# KiCad board Console.kicad_pcb (continued)
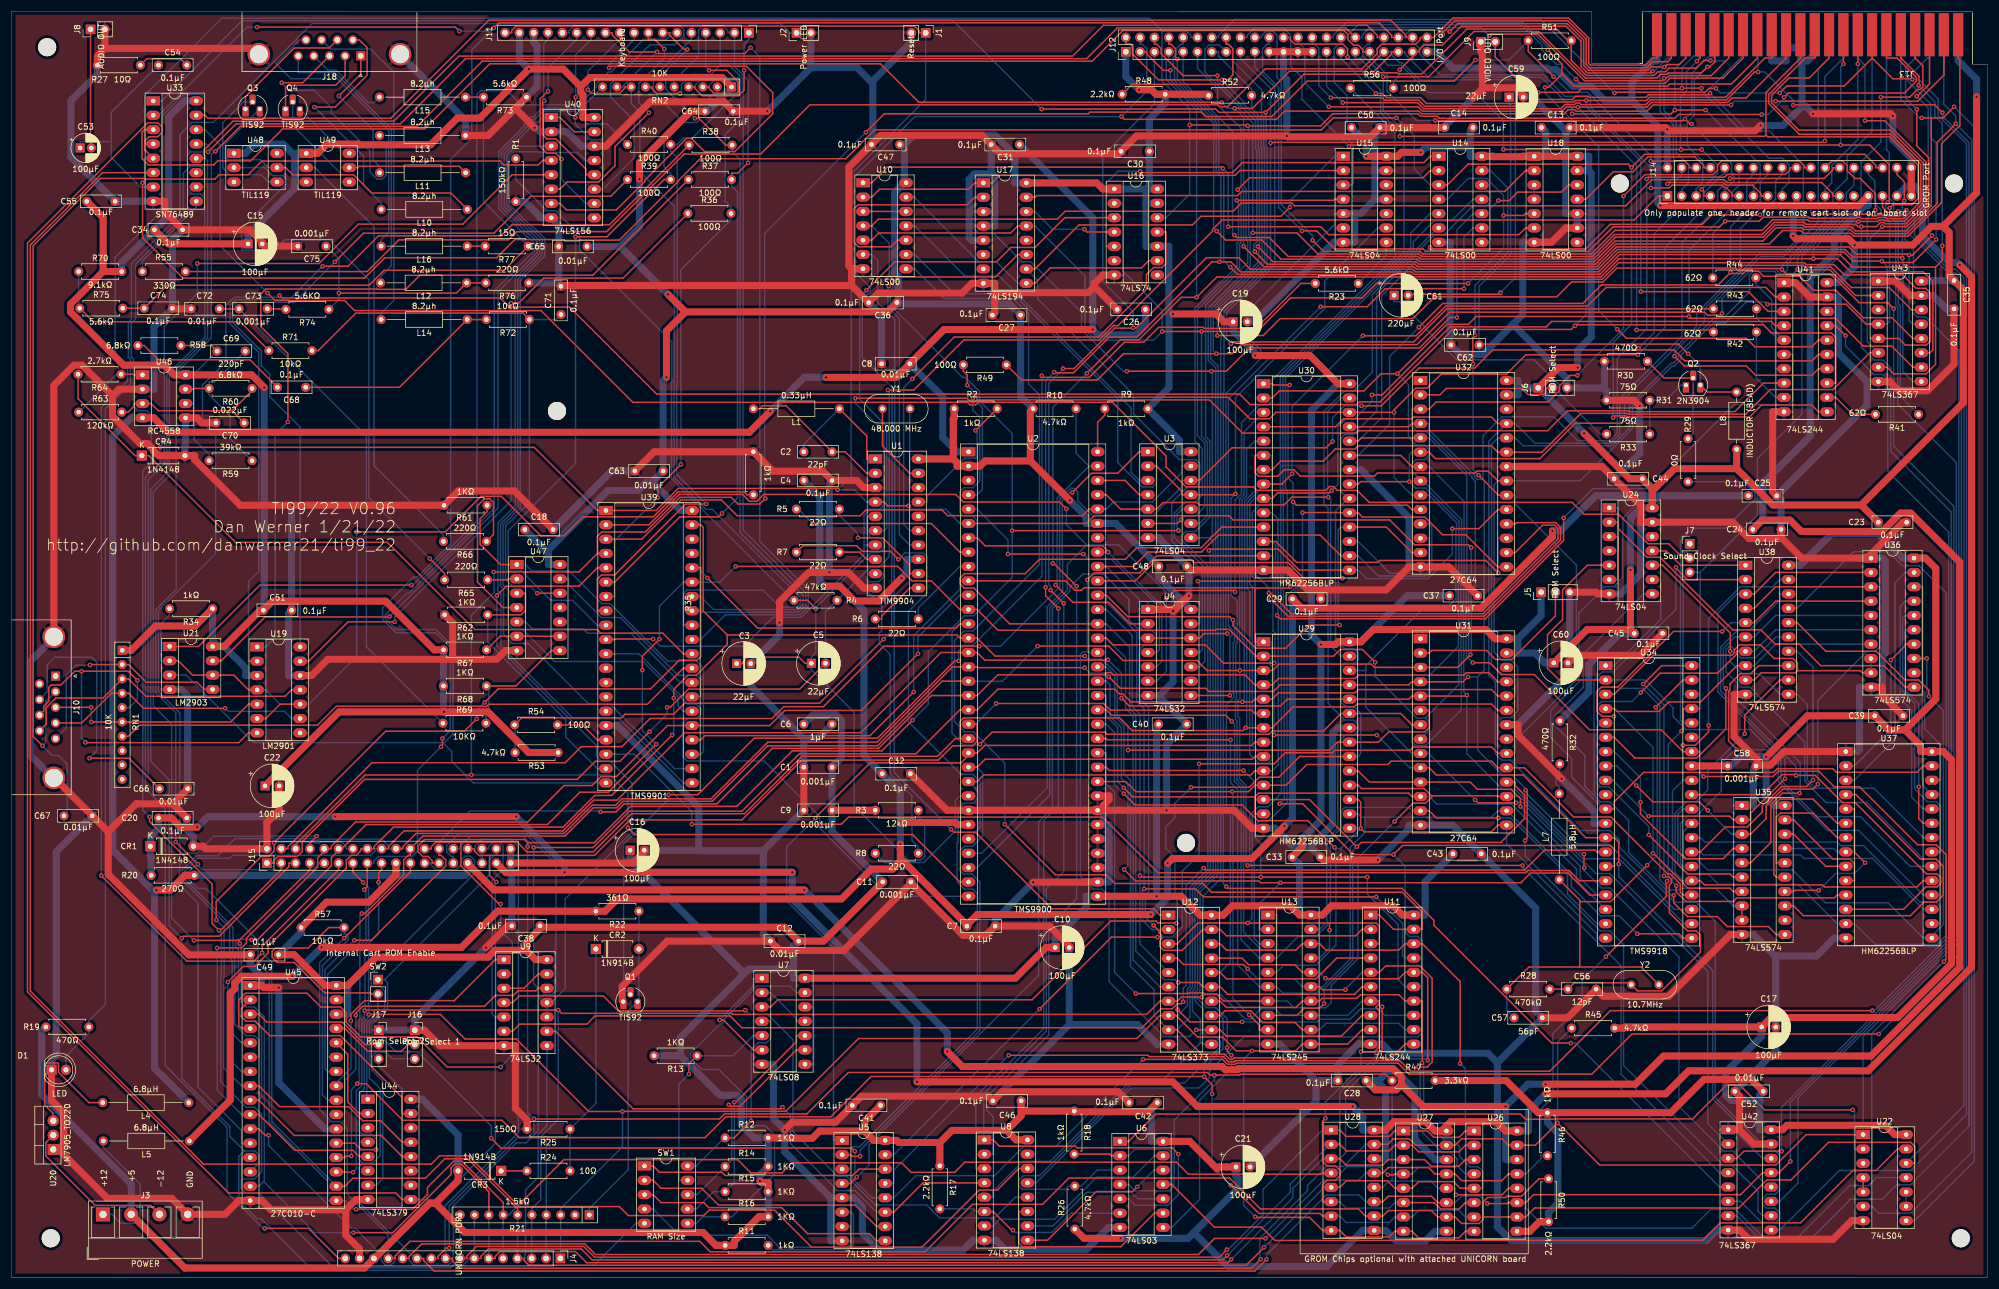
[diagram p0: board, top side]
## Routing (per net, layer and track width the routed paths; a pad name or vN(x,y) marks a point on that pad's centre or on a via; arc(x,y) is an arc through that point) (continued)
  Bottom w0.25: U31.6 251.08,100.49 251.08,106.62 256.27,111.82 256.27,122.82 256.37,122.92 256.37,133.98 250.48,139.87 248.72,139.87 v1(247.57,141.01) 247.57,145.77 248.02,146.22 U32.6 ; v1(38.35,52.38) 38.35,38.96 40.78,36.53 U45.7 ; v1(197.75,93.44) 197.75,97.73 195.87,99.61 195.87,106.87 194,108.74 193.89,108.74 193.08,109.56 190.68,109.56 v1(190.12,110.12) ; v1(285.7,151.93) 285.7,155.77 298.45,168.51 298.45,170.87 306.21,178.63 v1(306.21,179.06) 306.21,185.84 309.71,189.34 309.71,194.08 311.06,195.43 J14.16 ; v1(117.32,102.68) 117.32,96.42 v1(117.03,96.13)
A11: length 593.1
  Top w0.25: v1(171.55,94.5) 173.68,96.63 193.69,96.63 194.06,96.26 222.74,96.26 223.32,96.85 232.38,96.85 235.46,99.94 U29.23 246.04,99.94 248.03,97.95 U31.7 ; U45.8 43.84,33.99 47.53,30.3 59.75,30.3 62.24,27.81 65.42,27.81 69.23,24 U44.13 ; U43.12 336.73,166.36 333.05,170.04 327.96,170.04 323.12,174.89 319.19,174.89 316.7,177.38 310.3,177.38 309.4,178.27 307.09,178.27 306.7,177.88 304.66,177.88 v1(304.47,178.08) 302.25,175.85 281.59,175.85 278.3,172.57 253.48,172.57 v1(249.27,168.37) ; v1(123.27,123.95) 132.16,115.06 167.23,115.06 167.99,115.82 U2.13 ; v1(83.84,101.89) 86.25,104.3 113.22,104.3 118.3,109.38 121.44,109.38 122.08,110.01 122.08,125.75 120.55,125.75 ; v1(36.29,63.36) 36.29,66.64 44.27,74.62 45.59,74.62 46.54,75.57 v1(46.54,77.04) 66.29,96.79 80.24,96.79 v1(82.43,98.99) ; U32.7 248.02,143.68 246.05,145.66 236.99,145.66
  Bottom w0.25: v1(46.54,77.04) 46.68,77.18 53.44,77.18 53.59,77.03 54.58,77.03 54.73,77.18 58.49,77.18 59.32,76.35 59.32,75.99 J15.14 ; 120.55,125.75 122.08,125.75 122.08,125.14 v1(123.27,123.95) ; v1(304.47,178.08) 304.47,186.17 307.35,189.05 307.35,194.26 308.52,195.43 J14.14 ; U31.7 248.03,97.95 248.03,94.9 248.65,94.27 250.45,94.27 256.78,100.6 256.78,111.05 257.17,111.44 257.17,122.45 257.27,122.55 257.27,137.49 251.08,143.68 U32.7 ; v1(36.29,63.36) 37.69,61.97 37.69,53.39 37.61,53.31 37.61,37.17 40.78,33.99 U45.8 ; v1(171.55,94.5) 171.42,94.37 168.65,94.37 166.59,96.43 166.59,114.42 167.99,115.82 U2.13 ; 236.99,145.66 238.52,145.66 244.08,151.22 244.08,163.17 v1(249.27,168.37) ; v1(83.84,101.89) 82.43,100.48 v1(82.43,98.99)
A12: length 568.3
  Top w0.25: 221.75,155.81 223.28,155.81 224.55,157.09 239.53,157.09 242.56,160.12 v1(245.46,160.12) 254.21,168.86 258.01,168.86 259.41,170.26 v1(297.11,170.26) 297.43,169.94 323.04,169.94 327.96,165.02 332.99,165.02 336.73,161.28 U43.10 ; v1(241.52,109.02) 239.25,111.29 235.35,111.29 234.16,110.09 U29.2 220.22,110.09 220.22,110.27 215.65,114.84 213.38,114.84 213.21,114.68 174.72,114.68 171.04,118.36 U2.12 167.99,118.36 162.91,123.44 159.52,123.44 156.96,125.99 v1(128.28,125.99) ; v1(42.55,59.83) 43.55,59.83 56.69,72.98 56.69,74.42 58.25,75.99 ; 58.25,75.99 58.55,75.99 62.83,80.26 94.96,80.26 100.68,85.99 105.69,85.99 v1(114.21,94.51) ; 58.25,75.99 57.96,75.99 ; U44.12 69.23,21.46 65.49,25.2 50.09,25.2 43.84,31.45 U45.9 ; v1(114.77,113.1) 111.75,110.07 v1(111.75,107.62)
  Bottom w0.25: J14.12 305.98,193.53 304.71,192.26 304.71,189.63 297.11,182.03 v1(297.11,170.26) ; v1(42.55,59.83) 42.47,59.92 40.1,59.92 39.72,59.54 39.72,58.51 40.24,57.99 40.24,46.7 41.53,45.42 43.06,45.42 44.32,44.16 44.32,31.93 43.84,31.45 U45.9 ; U32.8 249.77,141.14 ; 249.77,141.14 248.02,142.88 248.02,144.17 248.73,144.88 250.24,144.88 251.08,145.72 251.08,146.69 250.28,147.49 248.83,147.49 247.42,148.9 247.42,158.16 v1(245.46,160.12) ; 249.77,141.14 249.98,141.14 256.82,134.3 256.82,122.73 256.72,122.64 256.72,111.63 256.33,111.24 256.33,105.06 250.39,99.12 ; 250.39,99.12 248.92,99.12 241.52,106.52 v1(241.52,109.02) ; 250.39,99.12 251.13,98.38 251.13,96.98 U31.8 ; v1(114.77,113.1) 114.77,118.95 119.02,123.21 U39.35 125.49,123.21 v1(128.28,125.99) ; v1(111.75,107.62) 111.75,96.96 v1(114.21,94.51)
A13: length 607.7
  Top w0.25: 55.86,75.99 56.6,75.99 56.6,76.35 60.96,80.71 91.43,80.71 97.9,87.18 102.85,87.18 104.44,88.77 107.16,88.77 116.2,97.81 U39.25 134.31,97.81 136.98,100.48 150.52,100.48 v1(160.56,110.52) ; 55.86,75.99 54.24,74.37 54.24,72.73 41.65,60.14 41.65,59.3 40.77,58.42 v1(36.44,58.42) ; 55.86,75.99 J15.10 ; U45.10 43.84,28.91 50.19,22.56 60.51,22.56 61.61,21.46 U44.5 ; v1(288.05,163.49) 268.22,163.49 264.78,160.05 253.21,160.05 250.74,157.57 248.73,157.57 244.87,153.72 v1(244.87,153.28) U30.26 223.95,153.28 222.81,152.14 219.33,152.14 215.52,155.95 170.44,155.95 v1(170.27,155.78) ; v1(266.49,84.12) 259.72,84.12 v1(259.21,84.64)
  Bottom w0.25: v1(244.87,153.28) 244.87,141.75 248.02,138.6 U32.9 251.08,138.6 255.92,133.76 255.92,132.38 255.82,132.29 255.82,120.34 254.37,118.89 250.34,118.89 239.86,108.41 239.86,107.56 ; J14.10 303.44,195.43 303.05,195.43 299.63,192.02 299.63,189.25 292.84,182.46 292.84,168.28 v1(288.05,163.49) ; U42.2 300.42,27.3 300.42,54.26 283.09,71.59 280.62,71.59 278.86,73.35 278.47,73.35 267.63,84.19 266.56,84.19 v1(266.49,84.12) ; 239.86,107.56 U29.26 ; 239.86,107.56 239.86,101.03 248.03,92.87 U31.9 251.08,92.87 251.08,92.76 v1(259.21,84.64) ; v1(170.27,155.78) 170.27,153.68 171.49,152.46 171.49,141.14 170.3,139.95 168.74,139.95 167.96,139.17 167.96,135.63 168.72,134.87 170.3,134.87 171.04,134.13 171.04,120.9 U2.11 167.99,120.9 160.56,113.47 v1(160.56,110.52) ; U45.10 40.78,28.91 36.44,33.26 v1(36.44,58.42)
A14: length 356.1
  Top w0.25: 220.22,122.17 226.24,122.17 v1(226.51,122.44) ; 220.22,122.17 220.22,112.64 U29.1 ; 220.22,122.17 220.19,122.21 189.97,122.21 189.53,121.76 188.35,121.76 186.68,123.44 U2.10 ; v1(226.37,158.13) 223.5,158.13 223.28,158.36 U30.1 ; U39.24 122.08,95.27 122.83,96.02 152.07,96.02 v1(159.8,103.75) ; U32.10 248.02,136.06 247.26,136.83 227.58,136.83 v1(226.99,137.42) ; v1(223.62,96.12) v1(241.83,96.12) ; v1(284.66,73.28) 284.66,77.14 283.86,77.94 U34.13 278.83,77.94 267.71,89.06 252.35,89.06 251.08,90.33 U31.10
  Bottom w0.25: U29.1 223.28,112.64 223.28,109.55 222.9,109.17 222.9,108.57 223.62,107.84 v1(223.62,96.12) ; U31.10 247.63,90.33 v1(241.83,96.12) ; v1(226.51,122.44) 226.99,122.92 v1(226.99,137.42) 226.99,140.74 226.1,141.64 226.1,157.86 v1(226.37,158.13) ; U42.14 310.13,21.14 306.03,25.24 306.03,26.93 301.29,31.67 301.29,54.46 284.66,71.09 v1(284.66,73.28) ; U2.10 167.99,123.44 167.99,121.91 159.8,113.73 v1(159.8,103.75)
A15: length 346.6
  Top w0.25: U17.2 170.61,191.38 169.28,190.05 149.97,190.05 149.29,189.38 149.29,183.33 150.01,182.61 155.76,182.61 156.93,183.79 U10.10 ; v1(197.55,160.57) v1(212.54,160.57) 215.16,160.57 219.28,164.69 249.37,164.69 254.76,170.09 v1(256,170.09)
  Bottom w0.25: 210.58,41.59 210.8,41.59 211.03,41.36 U12.11 ; 210.58,41.59 204.14,35.14 198.52,35.14 183.98,20.61 179.16,20.61 173.86,15.31 173.86,14.26 U8.5 ; 210.58,41.59 210.58,45.81 209.17,47.22 209.17,50.78 209.62,51.23 209.62,68.68 212.82,71.88 212.82,130.47 212.23,131.06 ; U17.2 170.61,191.38 170.61,185.75 171.33,185.03 173.92,185.03 179,179.95 180.53,179.95 189.53,170.95 189.53,167.95 196.91,160.57 v1(197.55,160.57) ; v1(256,170.09) 256,185.61 258.88,188.49 U14.10 ; 212.23,131.06 212.7,131.54 212.7,160.41 v1(212.54,160.57) ; 212.23,131.06 U3.8
A15-CRUOUT: length 553.8
  Top w0.25: v1(47.51,173.95) 47.92,173.55 86.57,173.55 88.2,171.91 98.89,171.91 114.29,156.51 217.53,156.51 219.38,154.67 238.29,154.67 238.78,155.16 242.43,155.16 255.23,167.96 276.24,167.96 v1(276.9,168.62) 277.07,168.79 310.26,168.79 311.7,167.36 322.3,167.36 323.08,166.57 323.08,158.47 U41.13 ; U18.11 278.84,191.03 283.7,195.89 287.17,195.89 289.83,198.54 298.17,198.54 299.73,196.98 299.73,196.61 J14.8 ; v1(54.07,78.21) 53.03,77.16 52.88,77.16 52.88,75.99
  Bottom w0.25: v1(54.07,78.21) 54.06,78.22 35.86,78.22 32.83,75.19 29.85,75.19 ; 29.85,75.19 29.79,75.13 29.79,69.61 33.06,66.34 33.06,33.78 40.78,26.06 40.78,23.83 U45.12 ; 29.85,75.19 29.85,100.03 26.06,103.82 26.06,118.15 36.19,128.28 36.19,149.13 33.86,151.46 33.86,158.13 38.02,162.29 38.02,172.19 39.49,173.67 47.23,173.67 v1(47.51,173.95) ; v1(276.9,168.62) 278.84,170.56 278.84,191.03 U18.11
CAS1: length 131.8
  Top w0.25: R64.2 11.83,155.69 21.9,145.62 CR4.1 24.35,145.62 39.72,130.25 66.61,130.25 82.06,114.8 103.73,114.8 104.36,114.17 115.36,114.17 119.02,110.51 U39.30
CAS1_REM: length 48.4
  Top w0.25: U47.3 91.05,121.24 91.05,118.19 90.28,117.42 R62.2
  Bottom w0.25: R62.2 84.36,112.61 98.19,98.77 98.19,95.78 103.78,90.19 105.31,90.19
CAS2: length 35.5
  Bottom w0.25: U39.28 118.45,105.43 109.71,114.17 102.07,114.17 101.35,114.89 92.32,114.89 91.05,116.16 U47.5
CAS2_REM: length 73
  Top w0.25: R61.2 84.25,135.69 83.02,134.46 83.02,129.92 86.62,126.32 U47.1
  Bottom w0.25: U47.1 91.05,126.32 92.18,125.19 98.78,125.19 104.58,119.4 106.05,119.4 116.21,109.24 121.27,109.24 122.56,107.95 122.56,93.21 122.08,92.73 U39.23
CAS3: length 37.5
  Bottom w0.25: U39.27 122.08,102.89 122.08,105.93 121.31,106.7 118.11,106.7 107.87,116.93 104.51,116.93 98.67,122.77 98.67,123.78 U47.13
CD0: length 164.5
  Top w0.25: v1(219.21,46.56) 221.01,44.76 221.01,43.93 U13.9 ; U34.24 296.05,67.78 295.57,68.26 295.57,69.72 293.8,71.49 293.38,71.49 283.26,81.61 276.68,81.61 267.96,90.33 U31.19 263.27,90.33 262.1,91.49 244.34,91.49 243.75,90.9 229.42,90.9 225.75,87.24 U29.11 220.22,87.24 219.09,86.1 v1(216.21,86.1) 199.15,86.1 197.36,87.88 U2.41
  Bottom w0.25: v1(219.21,46.56) 216.33,49.44 216.33,85.98 v1(216.21,86.1)
CD1: length 177.5
  Top w0.25: U13.8 227.67,46.47 228.94,47.74 231.66,47.74 v1(232.5,48.57) ; v1(218.22,89.84) 194.48,89.84 193.9,90.42 U2.42 ; U31.18 266.32,87.78 266.32,87.15 267.98,85.49 267.98,81.32 263.76,77.1 239.06,77.1 v1(238.29,76.33) 238.27,76.33 229.9,84.7 U29.12
  Bottom w0.25: U29.12 220.22,84.7 220.22,87.83 v1(218.22,89.84) ; v1(232.5,48.57) 232.5,51.17 237.57,56.24 237.57,75.6 v1(238.29,76.33) ; U34.23 294.52,65.24 282.96,76.8 277.31,76.8 268.5,85.6 267.87,85.6 266.32,87.15 266.32,87.78 U31.18
CD2: length 198.6
  Top w0.25: v1(199.13,50.34) 208.37,50.34 208.47,50.43 211.13,50.43 211.31,50.25 213.44,50.25 214.69,49.01 U13.7 ; U29.18 238.52,87.24 239.1,86.65 250.2,86.65 251.61,85.24 ; v1(244.97,80.81) 248.2,84.05 250.42,84.05 251.61,85.24 ; 251.61,85.24 251.74,85.37 263.15,85.37 263.27,85.25 U31.17
  Bottom w0.25: U34.22 296.05,62.7 296.05,62.91 284.77,74.19 278.3,74.19 267.79,84.7 267.49,84.7 266.95,85.25 U31.17 ; v1(244.97,80.81) 238.47,74.31 238.47,56.5 233.74,51.78 233.74,48.75 232.82,47.82 227.14,47.82 225.96,49.01 U13.7 ; v1(199.13,50.34) 195.38,54.09 195.38,86.02 193.9,87.5 193.9,92.96 U2.43
CD3: length 186.6
  Top w0.25: U34.21 296.05,60.16 295.29,60.92 v1(287.94,60.92) ; U2.44 193.9,95.5 194.11,95.29 v1(215.9,95.29)
  Bottom w0.25: 239.71,81.58 239.71,78.84 237.12,76.25 237.12,56.43 231.08,50.4 225.21,50.4 224.06,51.55 U13.6 221.01,51.55 217.17,55.39 217.17,86.44 215.9,87.7 v1(215.9,95.29) ; 239.71,81.58 262.14,81.58 263.27,82.71 U31.16 264.92,82.71 276.26,71.37 276.26,69.29 281.44,64.11 284.75,64.11 v1(287.94,60.92) ; 239.71,81.58 239.09,81.58 238.52,82.16 U29.16
CD4: length 155.3
  Top w0.25: v1(234.33,76.22) 229.59,80.96 220.75,80.96 217.96,83.75 198.98,83.75 v1(196.99,85.74) ; U29.17 238.52,84.7 238.97,84.24 v1(238.97,79.57) 239.55,78.99 262.09,78.99 263.27,80.17 U31.15
  Bottom w0.25: 234.58,75.97 234.58,58.89 231.05,55.36 225.33,55.36 224.06,54.09 U13.5 ; 234.58,75.97 v1(234.33,76.22) ; 234.58,75.97 235.37,75.97 v1(238.97,79.57) ; U31.15 264.8,76.87 280.81,60.86 280.81,60.16 U34.20 ; v1(196.99,85.74) 195.32,87.41 195.32,96.62 193.9,98.04 U2.45
CD5: length 163.4
  Top w0.25: U31.13 251.08,82.71 252.35,81.44 v1(263.36,81.44) ; v1(216.13,98.55) 215.07,99.62 194.86,99.62 193.9,100.58 U2.46
  Bottom w0.25: U29.15 235.46,79.62 ; 235.46,79.62 233.61,77.76 233.61,62.99 231.05,60.44 227.87,60.44 224.06,56.62 U13.4 221.01,56.62 217.78,59.86 217.78,86.79 216.59,87.97 216.59,90.51 216.63,90.55 216.63,98.05 v1(216.13,98.55) ; 235.46,79.62 235.46,82.63 236.14,83.3 247.44,83.3 248.03,82.71 U31.13 ; U34.19 280.81,62.7 275.58,67.93 275.58,71.38 265.53,81.44 v1(263.36,81.44)
CD6: length 146.4
  Top w0.25: v1(196.99,86.77) 198.6,85.17 220.22,85.17 ; 220.22,85.17 220.22,82.16 U29.13 ; 220.22,85.17 220.88,85.82 247.45,85.82 248.03,85.25 U31.12
  Bottom w0.25: U2.47 193.9,103.12 193.9,99.48 195.9,97.48 195.9,87.87 v1(196.99,86.77) ; U13.3 221.01,59.17 220.13,60.05 220.13,73.51 219.75,73.89 219.75,81.68 220.22,82.16 U29.13 ; U31.12 251.08,85.25 252.42,83.9 265.63,83.9 277.16,72.38 277.16,70.42 U34.18
CD7: length 193.2
  Top w0.25: U29.19 238.52,89.78 240.51,87.78 U31.11 258.36,87.78 259.63,86.52 265.57,86.52 267.25,84.83 v1(267.25,83.46) ; U34.17 279.54,67.78 275.64,71.68 269.04,71.68 267.34,69.97 v1(224.75,69.97) 221.24,69.97 220.93,70.28 199.09,70.28 v1(197.06,72.3)
  Bottom w0.25: U2.48 193.9,105.66 194.59,104.97 194.59,99.42 196.58,97.44 196.58,88.44 197.74,87.27 197.74,72.99 v1(197.06,72.3) ; v1(267.25,83.46) 277.83,72.88 277.83,70.76 280.81,67.78 U34.17 ; v1(224.75,69.97) 221.01,66.23 221.01,61.71 U13.2
CD8: length 268.7
  Top w0.25: v1(212.07,128.82) 212.3,129.04 224.38,129.04 228.09,125.34 U30.15 ; U11.11 246.83,41.39 244.39,38.95 216.6,38.95 216.35,38.7 215.75,38.7 214.83,39.61 210.75,39.61 206.46,43.9 U12.9 ; v1(255.19,132.68) 259.89,132.68 263.26,136.06 U32.19
  Bottom w0.25: v1(255.19,132.68) 255.19,128.18 250.84,123.83 240.02,123.83 238.52,125.34 U30.15 ; U2.49 193.9,108.2 195.42,106.68 195.42,99.42 197.03,97.82 197.03,89.27 198.19,88.1 198.19,55.17 202.38,50.98 202.38,46.46 U12.9 206.46,43.9 208.72,46.16 208.72,50.96 209.17,51.41 209.17,68.92 212.33,72.08 212.33,128.56 v1(212.07,128.82)
CD9: length 242.6
  Top w0.25: v1(190.56,123.62) 191.79,124.85 199.83,124.85 202.85,127.88 221.75,127.88 ; U32.18 266.32,133.52 266.54,133.75 273.49,133.75 274.36,132.88 274.36,130.69 260.83,117.17 226.09,117.17 v1(223.03,120.23) ; v1(209.85,43.9) U12.12 214.08,43.9 215.19,42.79 235.54,42.79 239.21,46.47 U11.8
  Bottom w0.25: 221.75,127.88 223.28,127.88 223.42,127.73 223.42,120.62 v1(223.03,120.23) ; 190.56,110.85 190.74,110.85 190.85,110.74 U2.50 ; 190.56,110.85 v1(190.56,123.62) ; 190.56,110.85 189.78,110.85 189.33,110.4 189.33,71.15 191.65,68.83 193.14,68.83 194.42,67.55 194.42,52.42 204.12,42.72 208.68,42.72 v1(209.85,43.9)
CD10: length 227.1
  Top w0.25: v1(217.97,45.31) 208.72,45.31 v1(206.54,47.49) ; U30.12 223.91,130.42 227.61,126.71 242.01,126.71 242.34,127.04 261.12,127.04 v1(263.31,124.85) ; U2.51 193.9,113.28 195.08,112.1 211.45,112.1 214.69,108.87 v1(223.62,108.87)
  Bottom w0.25: U32.17 263.26,130.98 263.26,124.9 v1(263.31,124.85) ; U2.51 193.9,113.28 197.32,109.86 197.32,100.88 198.65,99.56 198.65,56.28 203.41,51.52 U12.6 206.46,51.52 206.46,47.57 v1(206.54,47.49) ; U30.12 223.28,130.42 223.87,129.82 223.87,120.04 223.43,119.6 223.43,114.56 223.78,114.2 223.78,109.03 v1(223.62,108.87) ; U11.13 243.25,46.47 242.09,47.62 238.96,47.62 237.12,45.79 231.68,45.79 231.2,45.31 v1(217.97,45.31)
CD11: length 278.5
  Top w0.25: U30.11 214.36,132.96 210.72,129.31 199.31,129.31 197.25,127.25 182.09,127.25 179.55,124.71 168.78,124.71 167.98,123.91 167.98,122.95 168.76,122.17 170.45,122.17 176.8,115.82 U2.52 ; U11.6 239.21,51.55 237.87,50.2 215.4,50.2 214.08,51.52 U12.15 211.03,51.52 210.26,52.29 v1(206.64,52.29) ; v1(222.69,121.26) 223.02,121.26 226.67,117.62 260.65,117.62 273.91,130.88 273.91,132.69 273.3,133.29 271.17,133.29 266.32,128.44 U32.16
  Bottom w0.25: U30.11 220.22,132.96 220.22,124.66 222.69,122.19 v1(222.69,121.26) ; U2.52 193.9,115.82 198.04,111.68 198.04,100.84 199.13,99.76 199.13,57.86 204.2,52.79 206.14,52.79 v1(206.64,52.29)
CD12: length 244.2
  Top w0.25: v1(199.88,71.23) 200.14,70.96 v1(221.28,70.96) v1(240.14,70.96) ; v1(228.67,135.53) 235.43,135.53 235.46,135.5 U30.19 238.52,135.5 239.28,134.73 250.33,134.73 253.45,131.61 257.56,131.61 263.26,125.9 U32.15
  Bottom w0.25: v1(221.28,70.96) 221.28,76.89 220.2,77.96 220.2,80.06 220.98,80.84 222.57,80.84 225.89,84.16 225.89,119.24 225.71,119.43 225.71,120.66 226.73,121.69 226.81,121.69 228.67,123.54 v1(228.67,135.53) ; U12.5 199.88,59.12 v1(199.88,71.23) 199.88,99.83 198.5,101.21 198.5,113.77 193.9,118.36 U2.53 ; U11.15 246.83,51.55 245.57,52.8 245.57,62.56 240.14,67.99 v1(240.14,70.96)
CD13: length 178.6
  Top w0.25: U32.13 248.02,128.44 243.51,132.96 U30.18 ; v1(235.23,115.6) 229.77,115.6 225.66,111.49 220.37,111.49 216.34,115.52 v1(216.34,116.5) 215.75,117.09 197.71,117.09 193.9,120.9 U2.54 ; U12.16 214.08,54.06 215.2,52.94 231.04,52.94 234.73,56.62 U11.4
  Bottom w0.25: U12.16 214.08,54.06 215.88,55.86 215.88,82.41 215.18,83.12 215.18,101.48 216.52,102.82 216.52,103.43 216.39,103.55 216.39,112.44 216.62,112.66 216.62,116.22 v1(216.34,116.5) ; v1(235.23,115.6) 234.98,115.86 234.98,132.47 235.46,132.96 U30.18
CD14: length 204.1
  Top w0.25: U2.55 199.05,123.44 202.73,127.12 209.04,127.12 209.48,126.67 226.11,126.67 228.88,123.91 v1(235.73,123.91) ; v1(200.61,68.87) 209.69,68.87 211.12,67.45 v1(241.72,67.45)
  Bottom w0.25: U32.12 251.08,130.98 251.08,125.4 250.44,124.77 244.16,124.77 238.52,130.42 U30.17 235.46,130.42 235.46,124.17 v1(235.73,123.91) ; v1(241.72,67.45) 246.38,62.79 246.38,57.08 246.83,56.62 U11.17 ; U12.2 201.97,61.68 200.33,63.32 200.33,68.59 v1(200.61,68.87) 200.61,100.71 199.3,102.03 199.3,114.27 193.9,119.67 193.9,123.44 U2.55
CD15: length 192.8
  Top w0.25: v1(202.27,62.41) 203.23,61.45 203.23,61.11 203.71,60.63 203.71,60.03 203.39,59.71 203.39,58.69 204.1,57.99 207.34,57.99 211.03,61.68 U12.19 214.08,61.68 215.19,60.57 238.08,60.57 239.21,61.71 U11.2 ; 236.99,127.88 235.46,127.88 231.8,131.54 213.77,131.54 210.78,128.54 201.29,128.54 198.73,125.98 U2.56
  Bottom w0.25: v1(202.27,62.41) 200.83,63.86 200.83,67.81 201.4,68.38 201.4,101.01 199.75,102.66 199.75,111.22 200.55,112.02 202.09,112.02 202.8,112.72 202.8,113.82 201.92,114.7 200.41,114.7 199.75,115.36 199.75,120.13 193.9,125.98 U2.56 ; U32.11 251.08,133.52 251.56,133.04 251.56,125.24 250.61,124.29 242.1,124.29 238.52,127.88 236.99,127.88
COMP_VID: length 63.9
  Bottom w0.25: R29.2 306.75,141 308.78,138.97 308.78,137.98 303.58,132.78 297.83,132.78 295.58,130.54 295.58,98.73 296.05,98.26 U34.36
CPUCLK: length 28.9
  Bottom w0.25: U34.38 296.05,103.34 296.05,128.03 296.86,128.84 297.23,128.84 J7.1
CRUCLK: length 112.7
  Top w0.25: U39.3 111.66,130.83 118.6,137.77 125.74,137.77 128.54,134.98 150.33,134.98 151.36,136 164.8,136 165.82,134.98 189.69,134.98 190.85,136.14 U2.60
  Bottom w0.25: U3.13 207.37,143.77 207.37,142.72 202.07,137.42 195.18,137.42 193.9,136.14 U2.60
CRUIN: length 469.9
  Top w0.25: J15.6 50.34,76.71 62.68,89.06 v1(81.48,89.06) ; v1(259.27,215.7) 255.52,211.95 229.49,211.95 223.22,205.68 211.49,205.68 210.71,206.46 191.02,206.46 190.74,206.18 154.62,206.18 v1(151.34,202.9) ; R51.1 268.63,217.23 v1(273.11,212.75) ; U2.31 167.99,70.1 159.6,78.49 110.39,78.49 v1(109.19,79.69) ; 103.78,128.29 U39.4 ; 103.78,128.29 100.51,125.01 v1(85.43,125.01) ; 103.78,128.29 103.78,131.33 104.55,132.1 112.29,132.1 118.41,138.22 127.51,138.22 128.69,137.04 132.56,137.04 v1(133.53,138.02) ; v1(290.33,197.79) 296.37,197.79 297.19,196.98 297.19,196.61 J14.6
  Bottom w0.25: v1(109.19,79.69) 109.19,85.83 105.96,89.06 v1(81.48,89.06) 81.48,117.36 85.5,121.39 85.5,124.93 v1(85.43,125.01) ; R51.1 265.21,215.7 v1(259.27,215.7) ; v1(290.33,197.79) 290.33,198.78 279.14,209.97 275.89,209.97 v1(273.11,212.75) ; v1(151.34,202.9) 133.4,184.96 133.4,138.15 v1(133.53,138.02)
CRUOUT: length 196.4
  Top w0.25: U39.2 112.92,133.37 118.3,138.74 129.5,138.74 130.72,137.53 132.02,137.53 133.23,138.74 167.25,138.74 168.58,137.41 185.63,137.41 v1(186.84,136.2)
  Bottom w0.25: U2.30 171.04,72.64 183.89,85.49 183.89,118.67 187.03,121.8 187.03,126.37 190.45,129.79 ; 190.45,129.79 186.84,133.4 v1(186.84,136.2) ; 190.45,129.79 196.13,129.79 207.37,118.55 207.37,105.67 U4.9
D0: length 876.1
  Top w0.25: v1(220.28,10.79) 220.38,10.68 229.91,10.68 232.21,8.38 U28.8 235.26,8.38 236.42,7.22 244.01,7.22 245.01,8.22 U27.8 248.06,8.22 249.22,7.06 256.35,7.06 257.51,8.22 U26.8 ; v1(216.62,207.14) 219.79,207.14 226.34,213.69 239.63,213.69 J12.37 ; U33.3 23.61,203.37 23.14,202.9 23.14,198.23 24.26,197.12 35.84,197.12 36.55,197.83 42.42,197.83 48.07,203.49 73.21,203.49 84.75,215.03 153.89,215.03 160.71,208.22 214.28,208.22 v1(214.34,208.15) ; v1(65.05,70.05) 65.05,71.74 65.58,72.27 J15.17 ; U11.9 239.21,43.93 236.67,41.39 U13.11 228.63,41.39 227.43,40.19 v1(219.73,40.19) 216.9,40.19 214.46,42.63 210.1,42.63 206.46,46.27 206.46,46.44 U12.8 203.41,46.44 199.34,42.37 150.05,42.37 137.15,29.47 108.26,29.47 v1(108.23,29.44) 102.27,29.44 89.42,42.29 80.34,42.29 75.99,46.63 v1(63.28,46.63) ; v1(299.29,210.71) v1(295.85,210.71) 295.72,210.57 278.05,210.57 277.43,209.95 v1(270.42,209.95) ; U45.21 60.79,23.83 61.94,22.68 v1(64.61,22.68)
  Bottom w0.25: v1(65.05,70.05) 65.05,60.93 63.28,59.16 v1(63.28,46.63) 63.28,46.16 62.51,45.39 62.51,33.46 61.61,32.55 61.61,26 62.19,25.41 63.76,25.41 64.71,24.47 64.71,22.78 v1(64.61,22.68) ; v1(270.42,209.95) 268.21,212.17 249.34,212.17 246.31,215.2 245.83,215.2 244.26,216.78 244.26,217.15 J12.37 ; v1(108.23,29.44) 108.23,23.2 97.28,12.25 R21.3 97.28,4.64 97.23,4.6 J4.1 ; v1(220.28,10.79) 218.23,12.84 218.23,38.69 v1(219.73,40.19) ; J14.17 313.6,192.79 314.79,193.98 314.79,197.13 313.64,198.29 311.25,198.29 299.29,210.24 v1(299.29,210.71) ; U12.8 206.55,46.44 208.27,48.16 208.27,51.15 208.72,51.6 208.72,69.1 211.88,72.26 211.88,126.08 207.33,130.63 207.33,131.52 208,132.19 209.73,132.19 212.25,134.71 212.25,148.2 211.5,148.94 211.5,172.34 218.95,179.78 218.95,183.59 218.67,183.87 218.67,192.89 218.22,193.34 218.22,205.54 v1(216.62,207.14) 215.36,207.14 v1(214.34,208.15) ; J13.37 299.06,216.04 299.04,216.04 298.99,216.08 298.99,216.08 298.66,216.41 297.92,216.41 295.85,214.33 v1(295.85,210.71)
D1: length 866.7
  Top w0.25: v1(60.22,21.56) 59.35,21.56 59.08,21.29 U45.20 ; J14.15 309.89,191.61 309.89,191.98 308.33,193.53 303.61,193.53 303.15,194 293.53,194 v1(293.3,193.76) ; U13.12 228.63,43.93 227.36,45.2 221.6,45.2 219.5,47.29 214.93,47.29 214.08,46.44 U12.13 ; J15.15 63.04,69.27 v1(62.51,68.75) ; J13.40 296.51,216.04 295.36,214.89 293.18,214.89 v1(292.74,214.45) 290.36,214.45 289.78,213.87 279.3,213.87 278.44,214.73 278.44,219.2 275.52,222.13 256.14,222.13 v1(254.72,220.72) ; 94.61,24.81 v1(94.61,24.72) ; 94.61,24.81 122.84,24.81 126.53,28.5 145.12,28.5 152.27,35.64 211.22,35.64 v1(211.26,35.59) 212.65,34.21 v1(212.65,32.58) ; 94.61,24.81 89.96,24.81 86.89,27.88 69.33,27.88 62.84,34.37 v1(61.28,34.37) ; v1(85.45,221.37) 86.36,222.29 242.21,222.29 244.44,220.05 244.44,219.69 J12.40 ; v1(79.33,220.82) 78.64,221.52 v1(43.53,221.52) ; v1(76.35,95.52) 76.35,94.3 v1(76.09,94.04) ; v1(215.97,16.36) 220.95,11.39 231.74,11.39 232.21,10.92 U28.7
  Bottom w0.25: v1(94.61,24.72) 94.73,24.6 R21.4 94.73,9.99 94.69,9.95 J4.2 ; v1(62.51,68.75) 62.8,68.46 62.8,59.95 62.18,59.34 62.18,58.87 61.73,58.42 61.73,45.88 61.59,45.75 61.59,34.69 v1(61.28,34.37) 60.22,33.32 v1(60.22,21.56) ; v1(293.3,193.76) 294.46,194.92 294.46,198.27 294.33,198.4 294.33,204.3 291.97,206.66 291.97,213.67 v1(292.74,214.45) ; U13.12 231.68,43.93 232.82,45.06 245.69,45.06 246.83,43.93 U11.12 ; v1(215.97,16.36) 212.65,19.68 v1(212.65,32.58) ; J15.15 64.22,73.45 64.22,73.81 65.02,74.62 70.96,74.62 71.93,75.59 71.93,89.88 v1(76.09,94.04) ; v1(79.33,220.82) 84.89,220.82 v1(85.45,221.37) 81.56,217.49 81.56,201.85 77.8,198.09 77.8,130.01 71.89,124.1 71.24,124.1 65.76,118.62 65.76,116.62 68.17,114.2 75.19,114.2 77.72,111.67 77.72,96.89 v1(76.35,95.52) ; U28.7 235.26,10.92 236.39,9.79 244.04,9.79 245.01,10.76 U27.7 248.06,10.76 249.25,11.95 256.32,11.95 257.51,10.76 U26.7 ; v1(43.53,221.52) 41.73,221.52 26.12,205.91 U33.2 ; U12.13 214.08,46.44 214.58,45.94 214.58,40.53 211.26,37.22 v1(211.26,35.59) ; v1(254.72,220.72) 254.5,220.94 247.68,220.94 246.8,220.05 246.8,219.69 J12.40
D2: length 858.9
  Top w0.25: v1(210.83,49.71) 207.19,49.71 206.46,48.98 U12.7 203.41,48.98 201.07,46.64 127.76,46.64 127.58,46.82 97.45,46.82 v1(96.86,47.41) 62.64,47.41 v1(62.55,47.32) ; v1(182.45,207) 213.29,207 213.88,206.41 v1(222.13,206.41) 228.88,213.17 240.83,213.17 244.44,216.78 244.44,217.15 J12.39 ; U27.6 251.99,13.3 253.12,12.17 256.38,12.17 257.51,13.3 U26.6 ; v1(239.01,40.03) 241.42,40.03 242.26,40.87 242.26,47.31 241.7,47.87 241.7,47.98 242.26,48.54 242.26,49.01 U11.7 ; U28.6 232.21,13.46 232.21,16.47 233.02,17.28 234.53,17.28 235.26,18.01 235.26,19.03 234.49,19.81 233.01,19.81 232.21,20.61 232.21,27.74 v1(232.71,28.23) ; v1(62.3,70.03) 60.5,71.84 J15.13 ; v1(276.4,206.15) 293.92,206.15 v1(294.59,206.82) v1(300.02,206.82) ; U45.19 59.08,18.75 59.15,18.67 v1(60.52,18.67)
  Bottom w0.25: v1(222.13,206.41) 222.23,206.31 222.23,200.55 222.38,200.41 222.38,179.39 214.31,171.32 214.31,166.59 214.17,166.46 214.17,70.69 211.02,67.54 211.02,50.33 211.24,50.12 ; v1(96.86,47.41) 96.86,28.03 93.77,24.94 93.77,13.82 92.19,12.25 R21.5 92.19,9.99 92.16,9.95 J4.3 ; U11.7 239.21,49.01 236.67,46.47 U13.13 224.95,46.47 223.78,47.64 221.31,47.64 219.51,45.83 218.52,45.83 214.23,50.12 211.24,50.12 ; 211.24,50.12 v1(210.83,49.71) ; v1(232.71,28.23) 232.71,31.1 239.01,37.4 v1(239.01,40.03) ; v1(62.3,70.03) 63.25,69.08 63.25,59.77 62.63,59.15 62.63,47.4 v1(62.55,47.32) 62.55,46.07 62.06,45.58 62.06,34.07 61.11,33.12 61.11,19.27 v1(60.52,18.67) ; U33.1 26.66,208.44 40.85,222.63 166.81,222.63 v1(182.45,207) ; v1(294.59,206.82) 294.59,214.11 296.51,216.04 J13.39 ; U28.6 235.26,13.46 236.39,12.33 244.04,12.33 245.01,13.3 U27.6 ; J12.39 246.8,217.15 246.8,216.78 250.95,212.62 270.94,212.62 276.4,207.16 v1(276.4,206.15) ; v1(300.02,206.82) 309.7,197.14 309.7,194.71 308.52,193.53 J14.13
